# KiCad board HW.ACIM-INV.kicad_pcb (continued)
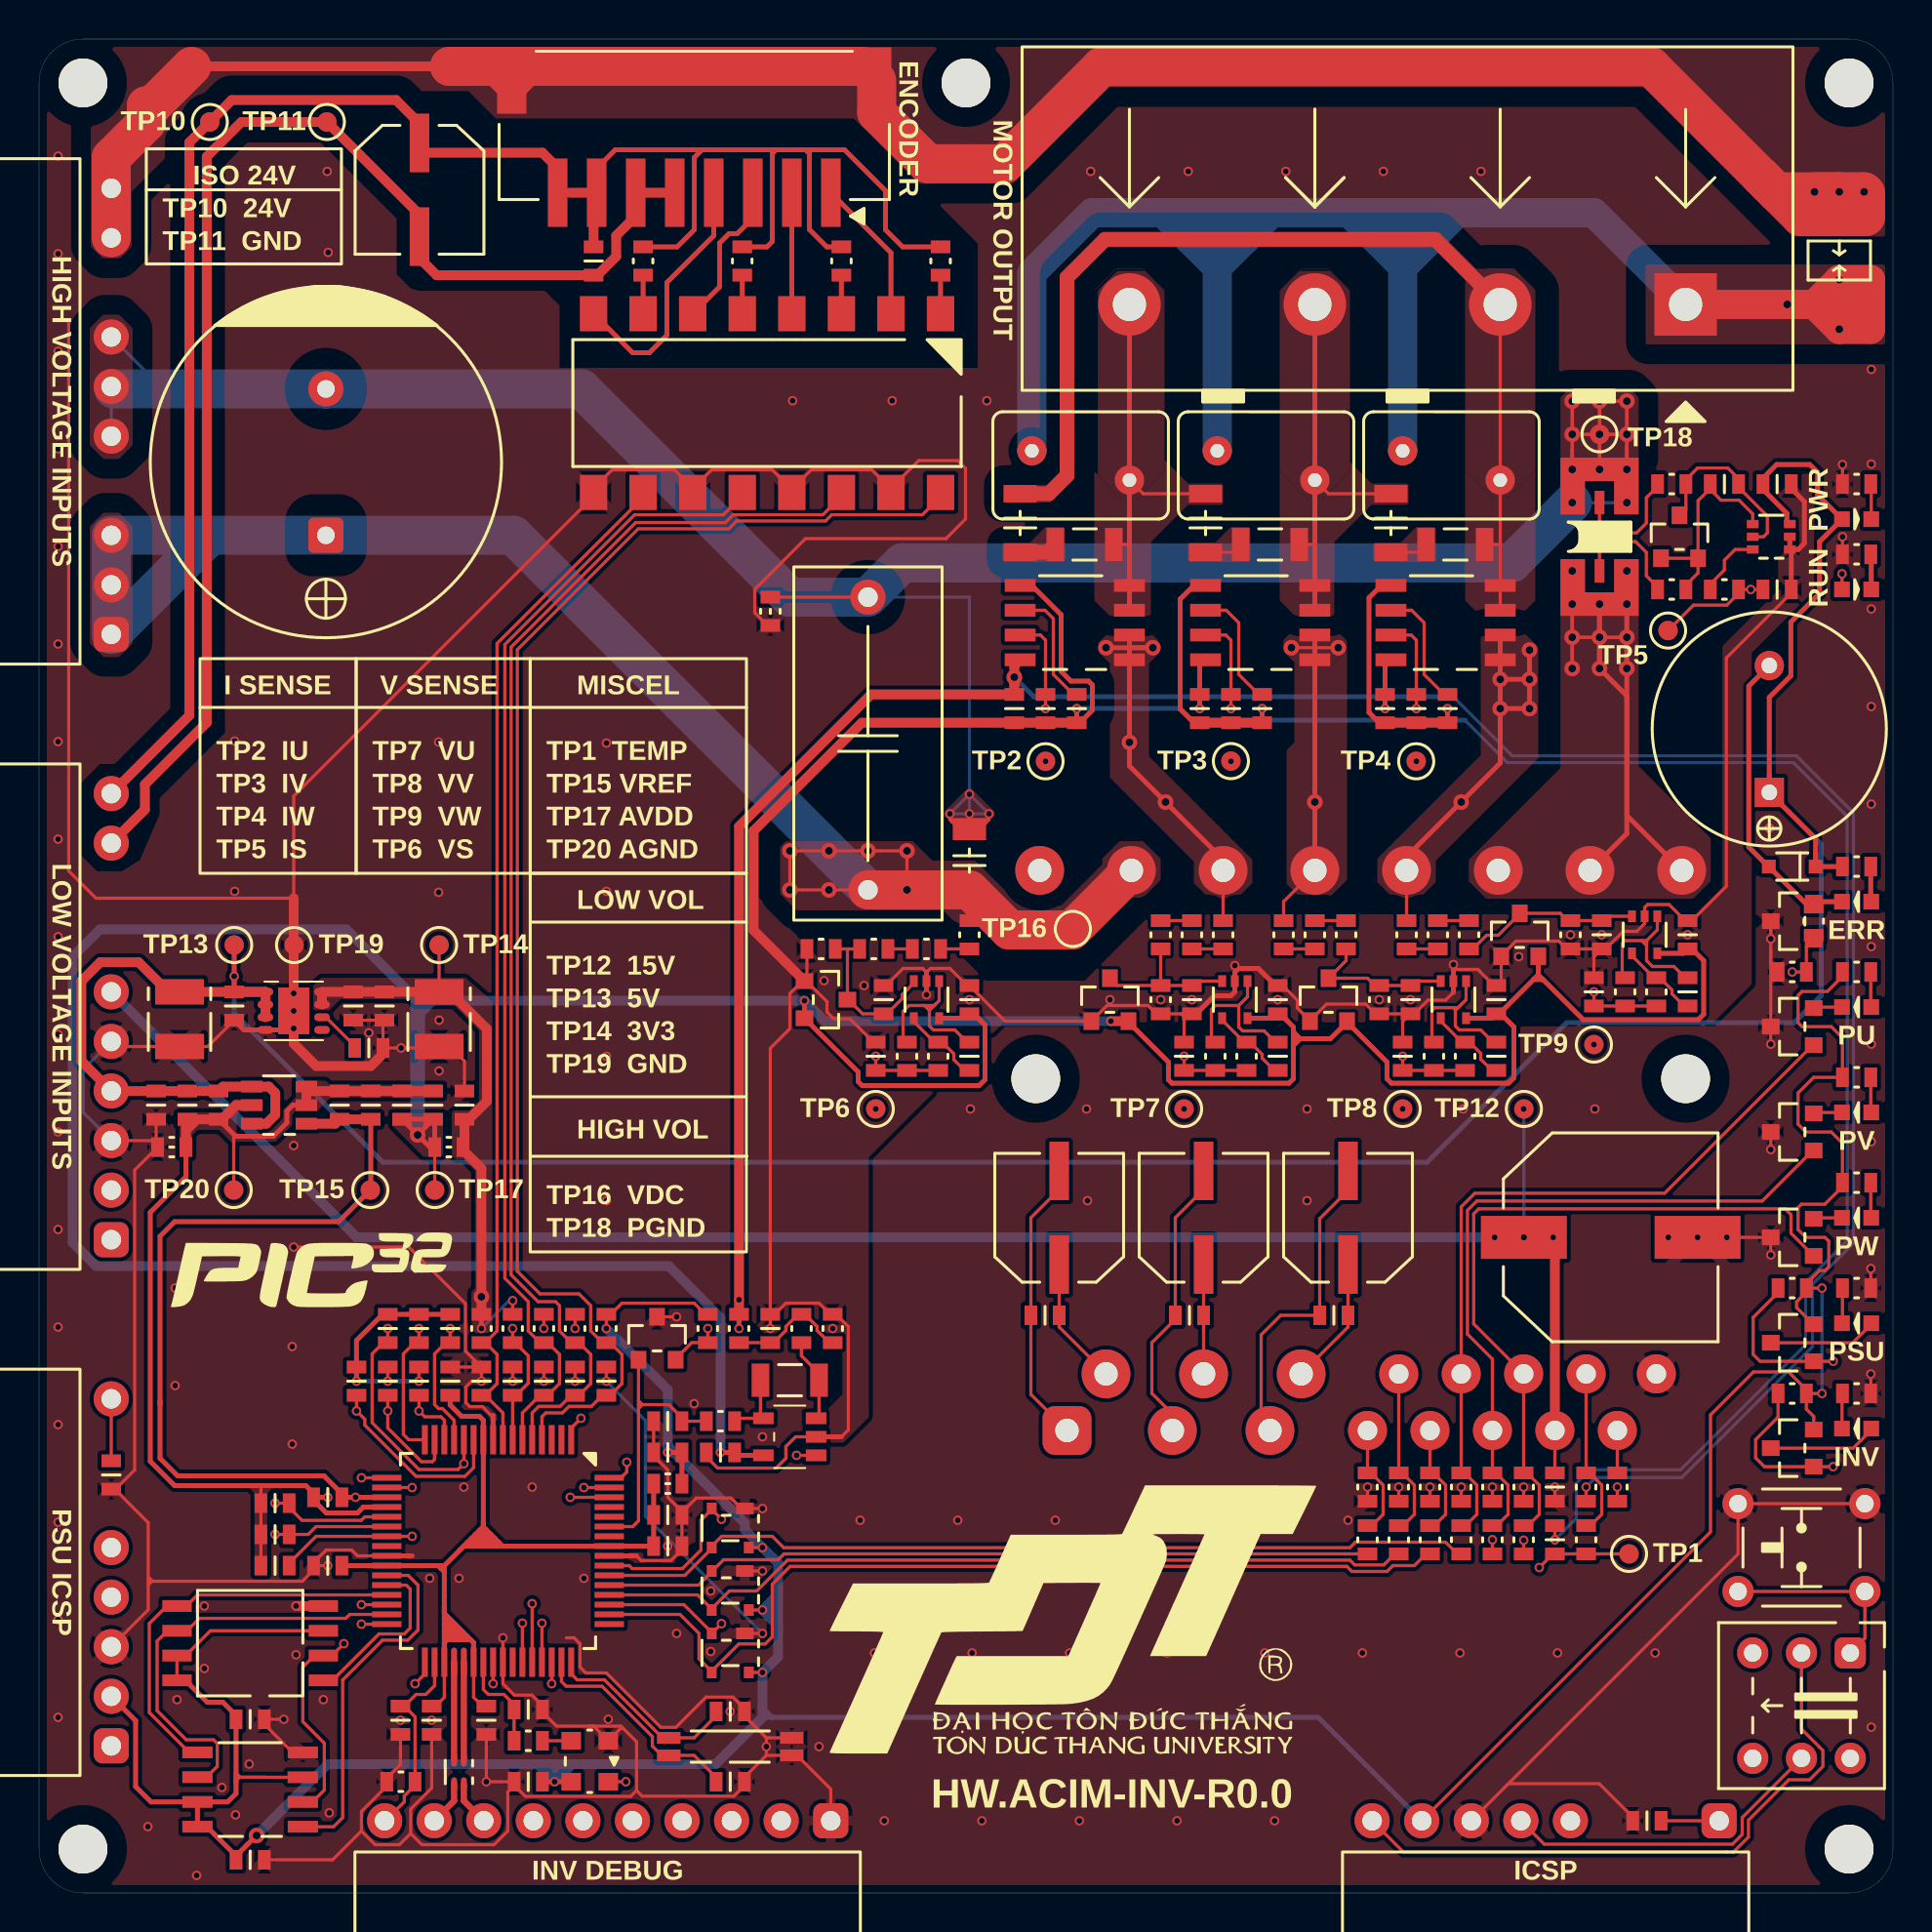
[diagram p0: board, top side]
## Library data of the parts (continued)
U6 = -: Description: MEMS OSC XO 12.0000MHZ CMOS SMD; MNP: DSC1001CE1-012.0000; Unit Price: 1.15; MFT: Microchip; Checked: OK
U7 U9 U10 = -: Description: SENSOR CURRENT HALL 10A AC/DC; MNP: ACS724LLCTR-10AB-T; Unit Price: 4.36; MFT: Allegro; Checked: OK
U8 = -: Description: IC VREF SERIES 0.1% SOT23-6; MNP: MCP1501T-33E/CHY; Unit Price: 1; MFT: Microchip; Checked: OK
U11 = -: Description: IC EEPROM 256KBIT SPI 8SOIC; MNP: M95256-WMN6P; MFT: ST; Unit Price: 0.71; Comment: EEPROM; Checked: OK
U13 = -: Description: IC FLASH 128MBIT SPI/QUAD 8SOIC; MNP: W25Q128FVSG; MFT: Winbond; Unit Price: 1.053; Comment: FLASH; Checked: OK
U14 = -: Description: IC REG LINEAR 3.3V 1.5A 8DFN; MNP: MCP1727-3302E/MF; Comment: Vo=3.3V±0.5%/1.5A; MFT: Microchip; Unit Price: 1.11; Checked: OK
X1 = -: Description: CRYSTAL 32.7680KHZ 12.5PF SMD; MNP: 32.768K12.5PI/6914E; Unit Price: 0.42; MFT: YIC; Checked: OK

## Footprints (pads in the part's own frame, mm; a bottom-side part is the same pattern mirrored in y, then rotated)
AT-1224
  round 1.5 hole 0.8: 1(3.25,0)
  rect 1.5x1.5 hole 0.8: 2(-3.25,0)
BUTTON_4P_6x6
  round 1.6 hole 0.9: 1(-3.25,2.25) 2(3.25,2.25) 3(-3.25,-2.25) 4(3.25,-2.25)
CAP0603
  rect 0.65x1 smd: 1(-0.725,0) 2(0.725,0)
CAP1206
  rect 0.9x1.7 smd: 1(-1.5,0) 2(1.5,0)
CAP1411
  rect 1.3x2.5 smd: +(-1.4,0) -(1.4,0)
CAP_ELEC-6.6x6.6-DIA6.3
  rect 3x1 smd: +(-2.4,0) -(2.4,0)
CAP_ELEC-10.3x10.3-DIA10
  rect 4.4x2.2 smd: +(-4.45,0) -(4.45,0)
CAP_ELEC-18.0x51.5-LS7.5
  rrect 1.8x1.8 hole 0.9: +(-3.75,0)
  round 1.8 hole 0.9: -(3.75,0)
CDFN3225-4LD-PL-1
  rect 1x0.9 smd: 1(-0.95,1.05) 2(-0.95,-1.05) 3(0.95,-1.05) 4(0.95,1.05)
CIPOS-MINI
  rrect 2.5x2.5 hole 1.2: 1(-15.05,14.35)
  round 2.5 hole 1.2: 2(-13.05,11.45) 3(-9.65,14.35) 4(-8.05,11.45) 5(-4.65,14.35) 6(-3.05,11.45) 17(16.45,-14.35) 18(11.75,-14.35) 19(7.05,-14.35) 20(2.35,-14.35) 21(-2.35,-14.35) 22(-7.05,-14.35) 23(-11.75,-14.35) 24(-16.45,-14.35)
  round 2 hole 1: 7(0.35,14.35) 8(1.95,11.45) 9(3.55,14.35) 10(5.15,11.45) 11(6.75,14.35) 12(8.35,11.45) 13(9.95,14.35) 14(11.55,11.45) 15(13.15,14.35) 16(15.15,11.45)
DFN8_3x3_MCHP
  oval 0.4x0.8 smd: 1(-0.975,-1.45) 2(-0.325,-1.45) 3(0.325,-1.45) 4(0.975,-1.45) 5(0.975,1.45) 6(0.325,1.45) 7(-0.325,1.45) 8(-0.975,1.45)
  rect 2.4x1.6 smd: 9(0,0)
ECWFE2W105
  round 1.8 hole 1: 1(-7.5,0) 2(7.5,0)
FT0603
  rect 0.65x1 smd: 1(-0.725,0) 2(0.725,0)
GDT1812_3532
  rrect 1.5x4.2 smd: 1(-2.25,0) 2(2.25,0)
HDF1x8x2.54_TH_RA
  rrect 1.8x1.8 hole 1: 1(-8.89,0)
  round 1.8 hole 1: 2(-6.35,0) 3(-3.81,0) 4(-1.27,0) 5(1.27,0) 8(8.89,0)
HDM1x8x2.0_SMA_RA
  rect 1x3.5 smd: 1(-7,2.8) 2(-5,2.8) 3(-3,2.8) 4(-1,2.8) 5(1,2.8) 6(3,2.8) 7(5,2.8) 8(7,2.8)
  rect 1.5x3.4 smd: 9(-9.35,-2.95) 9(9.35,-2.95)
HDM1x8x2.54_TH_RA
  rrect 1.8x1.8 hole 1: 1(-8.89,0)
  round 1.8 hole 1: 4(-1.27,0) 5(1.27,0) 6(3.81,0) 7(6.35,0) 8(8.89,0)
HDM1x10x2.54_TH_RA
  rrect 1.8x1.8 hole 1: 1(-11.43,0)
  round 1.8 hole 1: 2(-8.89,0) 3(-6.35,0) 4(-3.81,0) 5(-1.27,0) 6(1.27,0) 9(8.89,0) 10(11.43,0)
HDM1x10x2.54_TH_RA#2
  rrect 1.8x1.8 hole 1: 1(-11.43,0)
  round 1.8 hole 1: 2(-8.89,0) 3(-6.35,0) 4(-3.81,0) 5(-1.27,0) 6(1.27,0) 7(3.81,0) 8(6.35,0) 9(8.89,0) 10(11.43,0)
HDM1x10x2.54_TH_RA#3
  rrect 1.8x1.8 hole 1: 1(-11.43,0)
  round 1.8 hole 1: 2(-8.89,0) 3(-6.35,0) 5(-1.27,0) 6(1.27,0) 7(3.81,0) 9(8.89,0) 10(11.43,0)
IND1210_4P
  rrect 0.7x0.3 smd: 1(-0.625,0.25) 2(0.625,0.25) 3(0.625,-0.25) 4(-0.625,-0.25)
LED0603
  rect 0.8x0.8 smd: A(0.75,0) K(-0.75,0)
MOV5MM
  round 1.5 hole 0.7: 1(-2.5,0.75) 2(2.5,-0.75)
OPTO_SO16_6.5MM
  rect 1.4x1.8 smd: 1(-8.89,-4.58) 2(-6.35,-4.58) 3(-3.81,-4.58) 4(-1.27,-4.58) 5(1.27,-4.58) 6(3.81,-4.58) 7(6.35,-4.58) 8(8.89,-4.58) 9(8.89,4.58) 10(6.35,4.58) 11(3.81,4.58) 12(1.27,4.58) 13(-1.27,4.58) 14(-3.81,4.58) 15(-6.35,4.58) 16(-8.89,4.58)
RES0603
  rect 0.65x1 smd: 1(-0.725,0) 2(0.725,0)
RES1206
  rect 0.9x1.7 smd: 1(-1.5,0) 2(1.5,0)
SCREWHOLE-2.5M
  round 2.5 hole 2.5 unplated: (0,0)
SHU2512
  custom 2.91x4.01 smd: 1(-2.85,0) 2(2.85,0)
  rect 1.2x0.5 smd: 3(-1.75,0) 4(1.75,0)
SMD4-7015
  rect 1.2x0.6 smd: 1(-3.15,-0.45) 2(3.15,-0.45) 3(3.15,0.45) 4(-3.15,0.45)
SO8W_5.3
  rect 1.5x0.6 smd: 1(-3.75,1.905) 2(-3.75,0.635) 3(-3.75,-0.635) 4(-3.75,-1.905) 5(3.75,-1.905) 6(3.75,-0.635) 7(3.75,0.635) 8(3.75,1.905)
SOD-323
  rect 0.7x0.7 smd: A(1.2,0) K(-1.2,0)
SOIC8_3.9_MCHP
  rect 0.6x1.55 smd: 1(-1.905,-2.7) 2(-0.635,-2.7) 3(0.629,-2.696) 4(1.905,-2.7) 5(1.905,2.7) 6(0.635,2.7) 7(-0.635,2.7) 8(-1.905,2.7)
SOIC8_ALL
  rect 0.65x1.575 smd: 1(-1.905,-2.812) 2(-0.635,-2.812) 3(0.635,-2.812) 4(1.905,-2.812) 5(1.905,2.788) 6(0.635,2.788) 7(-0.635,2.788) 8(-1.905,2.788)
SOT23
  rect 0.8x0.9 smd: 1(-0.95,-1.1) 2(0.951,-1.102) 3(0,1.1)
SOT25_DIODES
  rect 0.6x1.05 smd: 1(-0.95,-1.35) 2(0,-1.35) 3(0.95,-1.35) 4(0.95,1.35) 5(-0.95,1.35)
SOT143B_NEXT
  rect 0.9x0.6 smd: 1(-0.75,-1)
  rect 0.5x0.6 smd: 2(0.95,-1) 3(0.95,1) 4(-0.95,1)
SOT353
  rect 0.6x0.4 smd: 1(-0.95,0.65) 2(-0.95,0) 3(-0.95,-0.65) 4(0.95,-0.65) 5(0.95,0.65)
SOT363
  rect 0.42x0.6 smd: 1(-0.65,-0.95) 2(0,-0.95) 3(0.65,-0.95) 4(0.65,0.95) 5(0,0.95) 6(-0.65,0.95)
SOT-23-6_MCHP
  rect 0.6x1.1 smd: 1(-0.95,-1.4) 2(0,-1.4) 3(0.95,-1.4) 4(0.95,1.4) 5(0,1.4) 6(-0.95,1.4)
SW_PUSH_2DPDT
  rrect 1.6x1.6 hole 0.9: 1(-2.5,-2.7)
  round 1.6 hole 0.9: 2(0,-2.7) 3(2.5,-2.7) 4(-2.5,2.7) 5(0,2.7) 6(2.5,2.7)
TMB4_9.5
  rect 3.2x3.2 hole 1.7: 1(-14.25,0)
  round 3.2 hole 1.7: 2(-4.75,0) 3(4.75,0) 4(14.25,0)
TP1MM
  round 1 smd: 1(0,0)
TQFP64_10x10_MCHP
  rect 1.5x0.3 smd: 1(-5.7,3.75) 2(-5.7,3.25) 3(-5.7,2.75) 4(-5.7,2.25) 5(-5.7,1.75) 6(-5.7,1.25) 7(-5.7,0.75) 8(-5.7,0.25) 9(-5.7,-0.25) 10(-5.7,-0.75) 11(-5.7,-1.25) 12(-5.7,-1.75) 13(-5.7,-2.25) 14(-5.7,-2.75) 15(-5.7,-3.25) 16(-5.7,-3.75) 33(5.7,-3.75) 34(5.7,-3.25) 35(5.7,-2.75) 38(5.7,-1.25) 39(5.7,-0.75) 40(5.7,-0.25) 41(5.7,0.25) 42(5.7,0.75) 43(5.7,1.25) 44(5.7,1.75) 45(5.7,2.25) 46(5.7,2.75) 47(5.7,3.25) 48(5.7,3.75)
  rect 0.3x1.5 smd: 17(-3.75,-5.7) 18(-3.25,-5.7) 19(-2.75,-5.7) 20(-2.25,-5.7) 21(-1.75,-5.7) 22(-1.25,-5.7) 23(-0.75,-5.7) 24(-0.25,-5.7) 25(0.25,-5.7) 26(0.75,-5.7) 27(1.25,-5.7) 28(1.75,-5.7) 29(2.25,-5.7) 30(2.75,-5.7) 31(3.25,-5.7) 32(3.75,-5.7) 49(3.75,5.7) 50(3.25,5.7) 51(2.75,5.7) 52(2.25,5.7) 53(1.75,5.7) 54(1.25,5.7) 55(0.75,5.7) 56(0.25,5.7) 57(-0.25,5.7) 58(-0.75,5.7) 59(-1.25,5.7) 60(-1.75,5.7) 61(-2.25,5.7) 62(-2.75,5.7) 63(-3.25,5.7) 64(-3.75,5.7)
  rrect 1.5x0.3 smd: 36(5.7,-2.25) 37(5.7,-1.75)
unnamed
  round 2.5 hole 2.5 unplated: (0,0)

## Nets
+3V3: C32.+ C34.2 C35.2 C54.2 C56.2 C57.2 C90.2 C100.2 D10.4 D11.4 D15.4 FT3.1 FT6.1 J2.7 J5.2 Q2.2 Q7.2 R20.2 R47.1 R54.1 R56.1 R62.1 R64.2 R66.2 R67.1 R70.1 R71.1 R72.1 TP14.1 U6.4 U11.3 U11.7 U11.8 U13.3 U13.7 U13.8 U14.7 U14.8
+5V: BZ1.2 C31.2 C48.2 C49.2 C50.2 C78.2 C83.+ D7.K D9.A J4.4 R57.2 TP13.1 U3.3 U8.4 U8.6 U14.1 U14.2 U14.3
+15V: C16.+ C17.1 J4.6 TP12.1 U1.13
+24V: C73.+ C74.2 J4.10 J8.7 J8.8 R44.1 R45.1 R46.1 R61.1 TP10.1
/MCU/VBUS: C97.2 J6.10 R110.1 U5.34
AGND: C9.2 C10.2 C15.1 C18.1 C20.2 C22.1 C23.2 C24.1 C26.2 C27.1 C28.2 C30.1 C31.1 C38.2 C39.1 C40.2 C41.1 C42.1 C43.1 C44.1 C45.1 C46.1 C47.1 C49.1 C50.1 C53.1 C55.1 C58.1 C59.1 C61.1 C62.1 C63.1 C64.1 C65.1 C66.1 C67.1 C68.1 C69.1 C70.1 C71.1 C72.1 C95.1 D1.1 D2.1 D3.1 D4.1 FT1.1 R6.2 R31.1 R33.2 R39.2 R53.2 TP20.1 U2.2 U3.1 U3.2 U4.2 U5.20 U7.5 U8.2 U8.3 U8.5 U9.5 U10.5 U12.2 U15.2 U16.2
AVDD: C24.2 C27.2 C39.2 C41.2 C42.2 C58.2 C59.2 D1.2 D2.2 D3.2 D4.2 FT3.2 TP17.1 U2.5 U4.5 U12.5 U15.5 U16.5
GND: BT1.3 BT1.4 C16.- C17.2 C21.1 C32.- C33.1 C34.1 C35.1 C36.1 C48.1 C51.1 C52.1 C54.1 C56.1 C57.1 C60.1 C76.1 C77.1 C78.1 C79.1 C83.- C89.1 C90.1 C91.1 C92.1 C93.1 C94.1 C96.1 C97.1 C98.1 C99.1 C100.1 C101.1 D10.1 D11.1 D15.1 FT1.2 FT2.1 J2.6 J4.3 J4.5 J5.3 J6.1 OP1.9 OP1.11 OP1.13 OP1.15 Q1.3 Q3.3 Q4.3 Q5.3 Q6.3 R16.1 R17.1 R18.1 R23.1 R24.1 R25.1 R55.1 R58.2 R59.2 R60.2 R65.1 R110.2 TP19.1 U1.16 U5.9 U5.25 U5.41 U5.56 U6.2 U11.4 U13.4 U14.4 U14.9 X1.2 X1.3
GND1: C73.- C74.1 J4.9 J8.5 J8.6 TP11.1
PGND: C1.1 C14.2 C75.- FT2.2 J1.5 J1.6 J1.7 R43.1 TP18.1
/Inverter/INV_FLT_OC: Q1.2 R7.2 R54.2
/Inverter/IPM_PWM_UH: R13.1 R18.2 U1.7
/Inverter/IPM_PWM_UL: Q4.1 R19.1 R25.2 U1.10
/Inverter/IPM_PWM_VH: R14.1 R17.2 U1.8
/Inverter/IPM_PWM_VL: Q5.1 R21.1 R24.2 U1.11
/Inverter/IPM_PWM_WH: R15.1 R16.2 U1.9
/Inverter/IPM_PWM_WL: Q6.1 R22.1 R23.2 U1.12
/Inverter/MC_IDC_SENSE: C30.2 C43.2 R41.2 TP5.1 U4.1 U5.12
/Inverter/MC_IPM_TEMP: C18.2 C72.2 R11.2 TP1.1 U5.23
/Inverter/MC_IU_SENSE: C46.2 C68.2 TP2.1 U5.13 U10.7
/Inverter/MC_IV_SENSE: C45.2 C65.2 TP3.1 U5.14 U9.7
/Inverter/MC_IW_SENSE: C44.2 C62.2 TP4.1 U5.15 U7.7
/Inverter/MC_PWM_UH: D10.2 R13.2 U5.53
/Inverter/MC_PWM_UL: D11.3 R19.2 U5.54
/Inverter/MC_PWM_VH: D10.3 R14.2 U5.52
/Inverter/MC_PWM_VL: D11.2 R21.2 U5.55
/Inverter/MC_PWM_WH: D15.3 R15.2 U5.50
/Inverter/MC_PWM_WL: D15.2 R22.2 U5.51
/Inverter/MC_VU: R8.1 U1.22 U10.1 U10.2
/Inverter/MC_VV: R34.1 U1.21 U9.1 U9.2
/Inverter/MC_VW: R48.1 U1.20 U7.1 U7.2
/MCU/CTS2: J6.2 U5.33
/MCU/ENC_A: C51.2 OP1.16 R70.2 U5.4
/MCU/ENC_B: C52.2 OP1.14 R71.2 U5.5
/MCU/ENC_HOME: C36.2 OP1.10 R62.2 U5.8
/MCU/ENC_INDEX: C60.2 OP1.12 R72.2 U5.6
/MCU/IND_RUN: D8.A U5.1
/MCU/MC_VDC_SENSE: C9.1 C47.2 R3.2 R5.1 TP6.1 U5.11
/MCU/MC_VU_SENSE: C20.1 C69.2 R10.2 R32.1 TP7.1 U5.16
/MCU/MC_VV_SENSE: C26.1 C70.2 R36.2 R38.1 TP8.1 U5.22
/MCU/MC_VW_SENSE: C38.1 C71.2 R50.2 R52.1 TP9.1 U5.21
/MCU/PGC: J2.4 J5.5 U5.17
/MCU/PGD: Q2.1 R56.2 SW1.4 U5.18
/MCU/RTS2: J6.3 U5.32
/MCU/RXD1: J6.6 U5.44
/MCU/RXD2: J6.4 U5.43
/MCU/SCK: U5.31 U11.6 U13.6
/MCU/SDI: U5.30 U11.2 U13.2
/MCU/SDO: U5.29 U11.5 U13.5
/MCU/SOSCI: C98.2 U5.47 X1.1
/MCU/SOSCO: C99.2 U5.48 X1.4
/MCU/SYS_CLK: C101.2 R111.1 U5.39
/MCU/SYS_CLK_EN: U5.40 U6.1
/MCU/TXD1: J6.7 U5.46
/MCU/TXD2: J6.5 U5.45
/MCU/USB_DM: FT7.3 J6.9
/MCU/USB_DP: FT7.2 J6.8
/MCU/~{IND_ERR}: Q3.1 R58.1 R73.2 U5.64
/MCU/~{INV_FAULT}: J4.2 U5.62
/MCU/~{INV_FLT_OC}: C21.2 Q1.1 R27.2 U5.59
/MCU/~{MCLR}: BT1.1 BT1.2 C33.2 R47.2 SW1.1 U5.7
/MCU/~{MEM_CFG}: U5.28 U13.1
/MCU/~{MEM_TMP}: U5.27 U11.1
/MCU/~{PWR_FAULT}: J4.1 U5.63
CHASSIS: G1.1 J1.9 J1.10 J8.9
VDC: C1.2 C14.1 C75.+ J1.1 J1.2 J1.3 R1.1 TP16.1 U1.23
VREF: C53.2 C55.2 C61.2 C63.2 C66.2 C95.2 R12.1 R28.2 TP15.1 U5.19 U7.8 U8.1 U9.8 U10.8
Net-(BZ1-V-): BZ1.1 D6.K D7.A Q3.2 R73.1
Net-(C11-Pad1): C11.1 R68.1
Net-(C12-Pad2): C12.2 R69.1
Net-(C13-Pad2): C13.2 R63.1
Net-(C22-Pad2): C22.2 R28.1 R29.2 R31.2
Net-(C76-Pad2): C76.2 J2.1
Net-(C77-Pad2): C77.2 J5.8
Net-(D1-COM): C10.1 D1.3 R4.2 R6.1 U16.3
Net-(D2-COM): C23.1 D2.3 R26.2 R33.1 U2.3
Net-(D3-COM): C28.1 D3.3 R37.2 R39.1 U12.3
Net-(D4-COM): C40.1 D4.3 R51.2 R53.1 U15.3
Net-(D5-PadK): D5.K R55.2
Net-(D6-PadA): D6.A R57.1
Net-(D8-PadK): D8.K R59.1
Net-(D9-PadK): D9.K R60.1
Net-(D12-PadA): D12.A R20.1
Net-(D13-PadA): D13.A R64.1
Net-(D14-PadA): D14.A R66.1
Net-(D16-PadK): D16.K R65.2
Net-(D20-COM): C29.1 D20.3 R42.1 U3.5
Net-(D20-K1): C29.2 D20.1 D20.2 R40.1 U3.4
Net-(G1-Pad2): G1.2 J3.1 M1.1 M2.1 M3.1
Net-(OP1A-A1): OP1.1 R46.2
Net-(OP1A-K1): J8.1 OP1.2
Net-(OP1B-A2): OP1.3 R45.2
Net-(OP1B-K2): J8.2 OP1.4
Net-(OP1C-A3): OP1.5 R44.2
Net-(OP1C-K3): J8.3 OP1.6
Net-(OP1D-A4): OP1.7 R61.2
Net-(OP1D-K4): J8.4 OP1.8
Net-(Q2-D): D5.A Q2.3
Net-(Q4-D): D12.K Q4.2
Net-(Q5-D): D13.K Q5.2
Net-(Q6-D): D14.K Q6.2
Net-(Q7-D): D16.A Q7.3
Net-(Q7-G): J5.4 Q7.1 R67.2 SW1.6
Net-(R1-Pad2): R1.2 R2.1
Net-(R2-Pad2): R2.2 R4.1
Net-(R8-Pad2): R8.2 R9.1
Net-(R26-Pad1): R9.2 R26.1
Net-(R34-Pad2): R34.2 R35.1
Net-(R35-Pad2): R35.2 R37.1
Net-(R40-Pad2): R40.2 R43.4
Net-(R42-Pad2): R42.2 R43.3
Net-(R48-Pad2): R48.2 R49.1
Net-(R49-Pad2): R49.2 R51.1
Net-(SW1-COM1): J2.8 SW1.2
Net-(SW1-COM2): J2.5 SW1.5
Net-(SW1-NO1): J5.1 SW1.3
Net-(U1-ITR): R7.1 U1.15
Net-(U1-NU): R43.2 U1.17 U1.18 U1.19
Net-(U1-VBU): C2.1 C3.+ U1.2
Net-(U1-VBV): C4.+ C5.1 U1.4
Net-(U1-VBW): C6.+ C7.1 U1.6
Net-(U1-VFO): R11.1 R12.2 U1.14
Net-(U1-VSU): C2.2 C3.- U1.1
Net-(U1-VSV): C4.- C5.2 U1.3
Net-(U1-VSW): C6.- C7.2 U1.5
Net-(U2-VIN-): C19.1 R10.1 U2.4
Net-(U2-VOUT): C19.2 R32.2 U2.1
Net-(U3-OUT): R41.1 U3.6
Net-(U4-VIN+): R29.1 R30.2 U4.3
Net-(U4-VOUT): R27.1 R30.1 U4.4
Net-(U5-D+): FT7.1 U5.37
Net-(U5-D-): FT7.4 U5.36
Net-(U5-VDD1): C89.2 C91.2 C92.2 C93.2 C94.2 C96.2 FT6.2 U5.10 U5.26 U5.35 U5.38 U5.57
Net-(U6-CLKO): R111.2 U6.3
Net-(U7-FILTER): C15.2 U7.6
Net-(U7-IPN1): C12.1 J3.2 M1.2 R68.2 U7.3 U7.4
Net-(U9-FILTER): C64.2 U9.6
Net-(U9-IPN1): C11.2 J3.3 M2.2 R63.2 U9.3 U9.4
Net-(U10-FILTER): C67.2 U10.6
Net-(U10-IPN1): C13.1 J3.4 M3.2 R69.2 U10.3 U10.4
Net-(U12-VIN-): C25.1 R36.1 U12.4
Net-(U12-VOUT): C25.2 R38.2 U12.1
Net-(U14-CDELAY): C79.2 U14.6
Net-(U15-VIN-): C37.1 R50.1 U15.4
Net-(U15-VOUT): C37.2 R52.2 U15.1
Net-(U16-VIN-): C8.1 R3.1 U16.4
Net-(U16-VOUT): C8.2 R5.2 U16.1

Pads without a net: U1 24; U5 2 3 24 42 49 58 60 61; U14 5

## Via types
v1: diameter 0.48, hole 0.3, Top to Bottom, 257 vias
v2: diameter 0.8, hole 0.4, Top to Bottom, 52 vias

## Routing (per net, layer and track width the routed paths; a pad name or vN(x,y) marks a point on that pad's centre or on a via; arc(x,y) is an arc through that point)
+3V3: length 265
  Top w0.16: R66.2 92.26,36.25 ; R66.2 92.41,38.42 91.84,39 90.54,39 90.14,39.39 90.14,41 90.94,41.8 R64.2 92.41,43.82 91.84,44.39 90.34,44.39 90.14,44.59 90.14,46 90.34,46.19 91.64,46.19 92.41,46.97 R20.2 ; R66.2 92.41,36.19 91.51,35.3 90.31,35.3 90.14,35.12 90.14,34 90.54,33.59 91.51,33.59 91.71,33.39 91.71,32.09 91.51,31.89 91.24,31.89 90.56,31.22 R67.1 ; C35.2 10.12,8.92 10.12,9.07 ; 10.09,6.15 10.3,5.94 10.3,5.93 ; 21.8,38.29 FT3.1 21.72,38.07 ; 8.6,3.39 U11.8 ; 10.3,5.93 10.27,5.93 10.09,5.75 ; 10.3,5.93 11.55,5.93 ; R47.1 v1(24.27,30.35) ; v1(29.07,28.92) R70.1 29.29,29.65 29.87,30.22 33.57,30.22 34.14,29.65 R54.1 ; D15.4 v1(37.07,11.3) ; v1(25.87,28.92) R72.1 ; D11.4 v1(37.07,17.7) ; 11.55,5.93 U11.3 ; 11.55,5.93 10.12,5.93 10.09,5.95 ; v1(27.47,28.92) R71.1 ; Q7.2 90.91,29.15 90.06,30 90.06,30.3 90.56,30.8 R67.1 ; 10.09,1.92 C34.2 10.09,1.9 ; 11.14,2.94 v2(11.15,2.94) ; R56.1 v1(91.36,25.59) ; R56.1 90.56,24.79 90.94,24.42 Q2.2 ; R56.1 90.56,25.79 89.65,26.7 87.85,26.7 85.65,24.5 85.65,18.5 J2.7 ; TP14.1 C32.+ ; 8.61,4.66 U11.7 7.58,4.66 ; D10.4 v1(37.07,14.5) ; v1(91.36,31) R67.1 ; U13.3 8.78,13.43 7.51,12.16 U13.7 U13.8 7.5,10.89 ; C100.2 25.79,5.87
  Top w0.25: 10.12,9.07 9.42,9.77 8.62,9.77 7.5,10.89 ; J5.2 4.95,8.83 4.95,5.45 5.74,4.66 7.58,4.66 ; U6.4 C100.2 ; U11.8 U11.7 ; 8.6,3.39 10.09,1.9 10.69,2.5 ; C35.2 10.09,5.09 9.66,4.66 8.61,4.66 ; v1(32.22,22.57) C90.2 FT6.1 ; 10.59,2.4 11.14,2.94 ; v1(22.67,28.92) R62.1
  Top w0.5: R62.1 v2(22.67,30.55) 22.67,37.12 21.72,38.07 ; U14.7 U14.8 C32.+ 21.05,46.17 22.95,44.27 22.95,40.57 22.03,39.64 C57.2 21.8,38.29
  In2.Cu w0.5: v1(29.07,28.92) v1(25.87,28.92) 25.69,28.92 v1(24.27,30.35) 24.07,30.55 v2(22.67,30.55) v1(22.67,28.92)
  Bottom w0.16: v1(91.36,31) v1(91.36,25.59) ; v2(22.67,30.55) v1(22.67,28.92) 24.09,30.35 v1(24.27,30.35)
  Bottom w0.25: 37.07,9.5 37.57,9 37.62,9 ; 37.62,9 37.07,9 ; 37.62,9 65.55,9 J2.7
  Bottom w0.5: 32.22,23 32.22,25.77 v1(29.07,28.92) ; 32.22,23 v1(32.22,22.57) 32.54,22.57 32.82,22.3 ; 32.22,23 32.22,22.9 32.82,22.3 ; 37.54,14.02 37.52,14.05 37.52,14.95 ; 37.54,14.02 v1(37.07,14.5) 37.52,14.95 ; 37.54,14.02 37.87,13.7 37.87,13.35 ; 37.87,13.35 37.87,12.1 v1(37.07,11.3) 37.07,9 34.67,6.6 27.94,6.6 ; 37.87,13.35 37.87,15.65 ; 37.87,15.65 37.87,16.9 v1(37.07,17.7) 36.17,18.6 36.17,18.95 32.82,22.3 ; 37.87,15.65 37.87,15.3 37.52,14.95 ; 27.94,6.6 25.52,6.6 ; 27.94,6.6 27.32,6.6 27.02,6.3 ; 25.52,6.6 14.79,6.6 11.15,2.96 v2(11.15,2.94) ; 25.52,6.6 25.92,6.2 ; 25.92,6.2 26.92,6.2 27.02,6.3 ; 25.92,6.2 v1(26.42,5.7) 27.02,6.3
+5V: length 167.7
  Top w0.25: D7.K 91.04,54.02 BZ1.2 ; D7.K R57.2 ; D7.K 91.04,53.3 ; TP13.1 v1(10,46.97) C78.2 ; BZ1.2 88.66,61.27 89.77,62.37 89.77,65.12 91.24,66.59 91.24,69.25 92.59,70.59 92.19,70.59 91.14,71.65 91.14,72.8 90.74,73.19 89.04,73.19 88.34,72.5 C31.2 88.34,71.92 89.56,70.69 89.56,70.3 89.71,70.15 ; BZ1.2 88.66,57.28
  Top w0.5: U14.3 U14.1 ; U14.1 C83.+ 6.62,46.17 5.1,47.69 3.14,47.69 2.17,46.72 2.17,42.63 J4.4 C50.2 9.42,41.32 U8.4 11.78,41.32 12.1,40.99 12.1,39.87 11.65,39.42 U8.6 ; U14.1 C78.2
  Bottom w0.25: 75.03,41.34 75.28,41.59 ; 75.03,41.34 78.28,44.59 89.93,44.59 91.32,45.99 91.32,53.74 88.67,56.39 BZ1.2 ; 75.03,41.34 71.12,37.44 17.62,37.44 10,45.06 v1(10,46.97)
+15V: length 99
  Top w0.16: 77.68,21.53 U1.13
  Top w0.5: U1.13 77.68,33.51 v1(77.59,33.59)
  Bottom w0.16: 75.7,33.59 76.06,33.96 76.09,33.96 ; 76.09,33.96 76.45,33.59 ; 76.09,33.96 76.09,34.12 ; v1(76.07,40.17) 76.09,40.16 76.09,34.12 ; v1(76.09,33.59) 76.09,34.12
  Bottom w0.5: v1(77.59,33.59) v1(74.59,33.59) 16.28,33.59 J4.6
+24V: length 109.5
  Top w0.16: 19.5,89.83 19.5,90.88
  Top w0.25: 27.19,87.12 J8.8 26.58,85.92 ; 38.88,89.33 34.28,89.33 ; 38.88,89.33 37.78,89.33 37.57,89.12 37.57,84.62 37.3,84.35 R44.1 ; 38.88,89.33 39.28,89.33 ; 34.28,89.33 33.97,89.33 33.57,88.92 33.57,85.22 32.7,84.35 R61.1 ; 34.28,89.33 29.53,89.33 28.58,88.38 J8.7 28.42,86.97 ; 39.28,89.33 41.28,89.33 43.38,87.22 43.38,85.22 44.25,84.35 R46.1 ; 39.28,89.33 39.47,89.12 39.47,85.24 40.37,84.35 R45.1 ; 19.5,89.88 19.5,90.88
  Top w0.5: 7.7,79.88 7.7,79.77 ; 7.7,79.88 7.7,60.33 J4.10 ; 7.7,79.88 7.7,89.7 TP10.1 9.88,91.88 18.3,91.88 19.3,90.88 19.5,90.88 ; J8.8 26.58,88.4 25.8,89.17 19.5,89.17 C73.+ 19.5,89.88 ; C74.2 28.42,86.97 ; J8.7 27.19,87.12
/MCU/VBUS: length 10.2
  Top w0.16: 18.72,9.57 19.32,10.17 19.82,10.17 20.27,10.62 U5.34 ; 18.72,9.57 C97.2 ; 18.72,9.57 19.27,9.02 R110.1 19.27,5.52 18.72,4.97 18.72,4.67 17.74,3.7 J6.10
AGND: length 448.6
  Top w0.16: C40.2 79.68,47.97 C38.2 ; C40.2 80.28,48.38 81.18,49.28 81.88,49.28 82.28,49.67 U15.2 82.28,50.5 82.43,50.65 83.53,50.65 84.35,49.83 84.7,49.83 86.46,51.59 86.46,63.29 89.79,66.61 C30.1 ; C40.2 R53.2 78.28,48.38 77.88,48.78 75.68,48.78 74.93,48.03 D4.1 74.93,46.75 C27.1 74.55,46.5 73.85,47.2 ; D1.1 39.35,46.85 R6.2 ; D1.1 39.11,46.72 38.47,46.09 38.47,44.29 37.47,43.28 C22.1 ; D1.1 39.32,46.72 40.38,45.67 40.38,45.14 40.72,44.79 41.56,44.79 42.75,43.6 C9.2 ; 65.12,44.7 64.47,45.35 64.47,45.75 63.72,46.5 C24.1 ; 65.12,44.7 65.12,44.67 ; 65.12,44.7 65.97,45.55 67.97,45.55 68.47,45.05 R39.2 C28.2 ; C28.2 69.88,44.65 C26.2 ; C28.2 70.47,45.05 71.18,45.75 72.07,45.75 72.47,46.15 ; 77.68,18.83 v1(77.68,18.1) ; C22.1 37.69,29.65 38.27,30.22 39.97,30.22 40.54,29.65 R31.1 40.84,29.65 41.47,29.02 41.47,23.72 41.12,23.37 ; C22.1 v1(37.47,28.92) ; C10.2 43.4,46.5 44.28,47.38 45.28,47.38 45.47,47.17 45.68,47.38 46.68,47.38 47.55,46.5 C41.1 49.5,44.67 53.88,44.67 53.93,44.72 53.93,44.67 54.72,45.47 56.82,45.47 57.25,45.05 R33.2 C23.2 58.53,45.05 58.68,44.9 C20.2 ; C45.1 v1(19.47,26.22) ; 73.85,47.2 73.72,47.33 72.47,47.33 ; 73.85,47.2 73.78,47.27 ; 63.75,46.5 C24.1 ; C24.1 63.3,46.5 ; 21.24,29.65 C46.1 ; 18.87,29.65 C43.1 ; 11.39,20.87 11.37,20.85 C71.1 C72.1 11.37,16.6 ; C44.1 v1(17.87,26.22) ; U4.2 38.77,23.37 38.27,22.87 38.27,22.27 37.77,21.77 34.77,21.77 34.19,22.35 C42.1 ; C50.1 9.97,38.87 TP20.1
  Top w0.25: U3.2 U3.1 ; U3.1 89.79,68.77 C30.1 ; U3.1 90.15,68.84 90.46,69.16 90.46,71.3 89.79,71.97 C31.1 ; 72.47,46.15 U12.2 72.47,47.33 ; v1(53.18,60.69) C67.1 53.33,59.97 53.97,60.61 53.97,61.9 53.78,62.1 52.88,62.1 52.38,62.6 52.38,65.5 50.88,67 U10.5 49.81,67 ; U8.2 13,40.37 12.7,40.07 12.7,39.47 12.01,38.77 10.07,38.77 C50.1 8.27,39.64 7.53,38.9 7.53,36.7 5.7,34.88 5.7,22.12 6.95,20.87 13.67,20.87 14.07,20.47 C95.1 ; C46.1 17.61,29.65 16.27,28.31 C47.1 v1(16.27,26.22) ; U9.5 59.18,67 58.47,66.3 58.47,60.67 59.15,59.99 59.45,59.99 C63.1 ; 45.47,47.17 U16.2 v1(45.47,46.03) ; C64.1 v1(62.68,60.69) ; C23.2 59.3,45.05 60.22,45.97 61.07,45.97 61.28,46.17 U2.2 61.28,47.17 61.47,47.38 62.47,47.38 63.35,46.5 C24.1 ; 7.53,39.57 C49.1 ; U7.5 68.78,67 68.15,66.37 68.15,60.49 68.68,59.97 C61.1 ; 49.78,59.97 C66.1 ; C15.1 v1(72.18,60.69) ; C95.1 14.07,20.12 14.72,19.47 16.32,19.47 16.62,19.77 U5.20 ; C95.1 v1(14.79,20.27) ; U4.2 41.12,23.37
  Top w0.5: C58.1 C55.1 13.92,41.09 U8.3 U8.2 ; C49.1 C50.1 9.38,39.64 10.1,40.37 U8.5 ; C67.1 C66.1 42.16,59.97 36.62,54.42 36.62,49.33 D1.1 ; C15.1 C61.1 ; C64.1 C63.1 ; 7.53,38.22 7.53,39.57
  In1.Cu w0.16: 15.67,23.42 16.04,23.8 29.44,23.8 33.57,27.92 33.57,30.05 34.57,31.05 36.72,31.05 37.47,30.3 v1(37.47,28.92) ; 15.67,23.42 15.67,25.62 v1(16.27,26.22) v1(17.87,26.22) v1(19.47,26.22) ; 15.67,23.42 15.67,21.15 v1(14.79,20.27)
  In1.Cu w0.5: v1(84.47,49.1) v1(80.07,49.1) v1(78.47,49.1) 77.35,47.97 v1(75.82,47.97) 72.88,47.97 v1(72.47,47.58) 70.68,45.78 v1(70.28,45.78) 61.97,45.78 ; 61.28,45.78 61.28,46.45 ; 61.28,45.78 61.97,45.78 ; 61.28,45.78 60.57,45.78 ; 61.28,46.45 v1(61.28,47.53) ; 61.28,46.45 61.3,46.45 ; v1(40.22,46.75) 40.47,46.5 v1(42.28,46.5) 45,46.5 v1(45.47,46.03) 45.72,45.78 v1(47.68,45.78) v1(54.88,45.78) 60.57,45.78 ; 61.3,46.45 61.97,45.78 ; 61.3,46.45 60.62,45.78 60.57,45.78
  In2.Cu w0.16: v1(17.87,26.22) 18.67,26.22
  In2.Cu w0.25: v1(16.27,26.22) v1(19.47,26.22)
  Bottom w0.16: 73.07,60.09 75.24,57.92 89.9,57.92 92.66,55.17 92.66,33.42 90.53,31.29 90.53,28.09 84.12,21.69 79.47,21.69 78.78,20.99 78.78,19.2 v1(77.68,18.1)
  Bottom w0.25: v1(53.18,60.69) 58.47,60.69 59.07,60.09 62.68,60.09 ; 62.68,60.09 72.18,60.09 ; 62.68,60.09 v1(62.68,60.69) ; 72.18,60.09 73.07,60.09 ; 72.18,60.09 v1(72.18,60.69) ; v1(19.47,26.22) v1(16.27,26.22)
  vias: v1(40.67,28.92) v1(57.47,45.78) v1(59.07,45.78) v1(63.47,45.78) v1(68.68,45.78)
AVDD: length 207.3
  Top w0.16: TP17.1 FT3.2
  Top w0.25: U12.5 74.45,44.83 C27.2 ; v1(39.22,45.72) D1.2 41.97,42.07 41.97,41.58 42.18,41.38 48.18,41.38 48.47,41.67 48.47,44.47 48.28,44.67 ; 76.58,46.81 76.83,47.05 ; 76.58,46.81 77.07,46.81 77.09,46.79 ; 76.58,46.81 74.82,45.05 C27.2 ; 76.83,47.05 D4.2 ; 76.83,47.05 77.09,46.79 ; v2(19.4,38.84) C59.2 C58.2 ; v2(19.4,38.84) C58.2 ; v2(19.4,38.84) 20.03,38.22 FT3.2 20.28,39.57 C58.2 ; 63.95,44.7 63.6,45.05 C24.2 63.25,44.83 62.87,44.83 ; 63.95,44.7 64.28,44.38 64.28,44.07 ; 63.95,44.7 63.82,44.83 62.87,44.83 ; 46.88,44.83 48.12,44.83 48.28,44.67 ; 46.88,44.83 47.45,44.83 C41.2 47.9,45.05 48.28,44.67 ; 46.88,44.83 U16.5 ; 64.28,43.78 64.28,44.07 ; 64.28,43.78 64.62,43.78 ; 64.28,43.78 64.28,43.42 ; 64.28,44.07 64.32,44.07 64.62,43.78 ; 77.09,46.79 79.13,44.75 85.03,44.75 85.3,45.03 85.3,47.78 84.7,48.38 C39.2 84.25,48.15 U15.5 ; 64.62,43.78 64.62,43.77 64.28,43.42 ; 64.62,43.78 66.18,43.78 67.03,44.63 D3.2 67.03,44.62 69.07,42.58 69.07,41.72 69.3,41.49 75.3,41.49 75.57,41.77 75.57,44.38 74.9,45.05 C27.2 ; 62.87,44.83 U2.5 ; 64.28,43.42 64.28,41.72 64.05,41.49 58.05,41.49 57.88,41.67 57.88,42.58 55.83,44.62 D2.2 ; v1(34.92,22.57) C42.2 35.79,22.42 U4.5
  Top w0.5: D2.2 v1(54.93,44.67)
  Bottom w0.25: 19.9,45.72 19.83,45.72
  Bottom w0.5: v1(54.93,44.67) 40.27,44.67 v1(39.22,45.72) 20.17,45.72 ; 20.17,45.72 19.4,45.72 15.75,49.37 3.12,49.37 1.72,47.97 1.72,33.33 2.92,32.12 32.27,32.12 34.92,29.47 v1(34.92,22.57) ; 20.17,45.72 19.4,44.95
  Bottom w0.75: v2(19.4,38.84) 19.4,45.72
GND: length 651.5
  Top w0.16: 5.82,15.97 5.79,15.97 5.59,15.77 ; 5.82,15.97 5.59,15.97 ; 5.82,15.97 13.49,15.97 14.07,16.55 C89.1 ; 5.82,15.97 5.59,16.2 ; 28.22,8.55 26.52,8.55 25.79,9.27 C101.1 25.79,9.6 25.25,10.14 24.35,10.14 23.77,10.72 U5.41 v1(23.77,13.07) ; 28.22,8.55 28.42,8.55 U6.2 29.82,8.45 29.92,8.45 ; 28.22,8.55 29.82,8.55 29.92,8.45 ; R16.1 v1(71.28,20.8) ; C97.1 18.52,6.57 17.82,5.87 R110.2 17.82,5.47 16.52,4.17 16.52,3.17 ; C52.1 v1(27.47,26.22) ; 92.39,72.22 R60.2 v1(92.41,73.19) ; v1(88.74,48.89) Q3.3 88.74,48.3 ; FT1.2 6,38.29 C48.1 ; FT1.2 5.74,38.55 J4.3 3.06,38.55 ; FT1.2 4.9,37.04 4.9,21.67 3.92,20.69 C77.1 3.87,20.69 5.59,18.97 5.59,16.2 ; C100.1 v1(22.92,5.7) C96.1 ; C100.1 24.34,5.52 24.92,4.95 30.32,4.95 30.62,5.25 ; C100.1 24.34,5.5 24.02,5.17 24.02,3.17 23.32,2.47 19.62,2.47 19.04,3.05 ; 30.62,17.27 30.86,17.03 32.38,17.03 32.94,17.6 C92.1 C91.1 ; Q5.3 v1(88.74,38.09) ; C36.1 21.85,27.77 21.85,30.2 18.95,33.1 v1(13.05,33.1) ; C36.1 C94.1 ; C36.1 v1(22.67,26.22) 22.17,26.22 21.87,25.92 21.87,25.12 22.07,24.92 22.72,24.92 23.17,24.47 23.27,24.47 ; 5.59,15.97 5.59,15.77 ; 5.59,15.97 5.59,16.2 ; BT1.3 BT1.4 87.06,17.37 75.08,5.39 ; 37.27,7.95 36.14,9.07 C99.1 36.14,9.45 35.55,10.04 34.18,10.04 32.63,8.49 31.86,8.49 29.07,11.27 28.02,11.27 27.72,11.57 27.72,12.77 27.42,13.07 27.02,13.07 ; 37.27,7.95 X1.3 ; 37.27,7.95 v1(37.27,7.5) 37.27,7.05 ; 37.27,7.05 36.14,5.92 C98.1 36.14,5.5 35.6,4.96 30.91,4.96 30.62,5.25 ; 37.27,7.05 X1.2 38.84,7.05 40.57,5.32 J6.1 ; 75.08,5.39 75.29,5.6 79.95,5.6 81.67,3.88 C76.1 ; 75.08,5.39 J2.6 ; C51.1 v1(29.07,26.22) ; 16.52,3.17 15.04,1.7 C34.1 ; 16.52,3.17 17.22,2.47 18.47,2.47 19.04,3.05 ; v1(88.74,32.69) Q6.3 v1(86.49,33.59) v1(84.99,33.59) ; 30.62,5.25 30.62,7.75 29.92,8.45 ; v1(37.07,19.7) D11.1 35.99,19.7 35.45,20.24 33.68,20.24 32.94,19.5 C91.1 ; R18.1 v1(68.07,20.8) ; D10.1 v1(37.07,16.5) ; D15.1 v1(37.07,13.3) ; Q1.3 v1(32.67,29.52) ; 5.59,15.77 5.59,14.51 J5.3 ; C33.1 24.27,26.32 ; C91.1 32.94,19.55 32.22,20.27 32.22,21.67 31.49,22.4 C90.1 C21.1 ; v1(13.05,46.1) v1(13.05,45.2) ; 14.72,17.57 16.02,17.57 16.32,17.27 U5.25 ; 14.72,17.57 14.07,16.92 C89.1 ; 14.72,17.57 14.69,17.57 ; C89.1 v1(14.79,16.77) ; R25.1 v1(72.88,20.8) ; 4.06,43.99 J4.5 3.96,43.37 C83.- 8.65,43.37 C78.1 ; C56.1 C54.1 17.62,44.65 C79.1 v1(18.55,43.3) 20.42,43.3 C32.- 21.05,43.37 21.8,42.62 C57.1 ; R17.1 v1(69.68,20.8) ; R59.2 v1(92.41,69.5) ; v1(88.74,43.5) Q4.3 88.74,48.3 ; 19.04,3.05 19.04,4.3 20.12,5.37 C93.1 ; 88.74,48.3 88.74,47.57 R58.2 ; R24.1 v1(74.47,20.8) ; R23.1 v1(76.07,20.8) ; C60.1 v1(25.87,26.22) ; R65.1 v1(93.86,32) ; R55.1 v1(93.86,26.59) ; C17.2 v1(77.68,20.8) ; FT2.1 37.32,64.95 36.68,65.6 36.68,66.8 39.28,69.4 46.47,69.4 47.47,70.4 47.47,73 47.07,73.4 45.07,73.4 43.66,71.98 OP1.15 43.66,71.94 42.67,72.92 39.57,72.92 38.57,71.93 38.57,71.77 38.57,71.92 37.57,72.92 34.47,72.92 33.5,71.95 OP1.11 33.5,72 32.57,72.92 29.37,72.92 28.42,71.97 OP1.9 28.42,71.57 13.05,56.21 13.05,50.97 2.92,50.97 1.52,52.37 1.52,80.57 ; v1(12.54,8.9) C35.1 11.54,8.65 12.99,7.2 U11.4
  Top w0.25: C78.1 10.5,44.22 U14.4 13.05,44.22 ; U5.25 19.12,17.27 ; U5.9 23.27,24.47 ; 30.62,17.27 U5.56
  Top w0.5: v1(13.05,45.2) v1(13.05,44.3) 13.05,43.52 ; 13.05,50.97 v1(13.05,46.1) ; C79.1 17.62,43 17,42.37 14.2,42.37 13.05,43.52 ; 13.05,43.52 13.05,44.22 ; U13.4 v1(13.17,14.7)
  In1.Cu w0.16: 24.22,4.9 16.32,4.9 ; 24.22,4.9 23.72,4.9 v1(22.92,5.7) ; 24.22,4.9 38.32,4.9 39.42,6 ; 16.32,4.9 16.32,9.5 16.86,10.04 ; 16.32,4.9 16.32,3.1 16.92,2.5 39.37,2.5 J6.1 40.57,4.85 39.42,6 ; v1(88.74,48.89) 91.81,51.97 91.81,68.9 v1(92.41,69.5) v1(92.41,73.19) ; v1(22.67,26.22) v1(29.07,26.22) 32.37,29.52 v1(32.67,29.52) ; 37.67,19.1 37.67,17.1 v1(37.07,16.5) 37.77,15.8 37.77,14 v1(37.07,13.3) 37.82,12.55 37.82,10.1 ; 37.67,19.1 v1(42.07,19.1) v1(47.07,19.1) v1(52.07,19.1) v1(57.07,19.1) v1(62.07,19.1) 66.37,19.1 v1(68.07,20.8) v1(77.68,20.8) 78.57,21.7 82.88,21.7 ; 37.67,19.1 v1(37.07,19.7) ; 39.42,6 39.42,8.5 37.82,10.1 ; 82.88,21.7 83.78,20.8 86.21,20.8 BT1.4 ; 82.88,21.7 U1.16 ; 30.08,10.44 30.42,10.1 37.82,10.1 ; 30.08,10.44 29.97,10.55 ; 30.08,10.44 27.44,13.07 v1(23.77,13.07) 19.89,13.07 16.86,10.04 ; 16.86,10.04 17.07,10.25 17.07,15.6 14.07,15.6 v1(13.17,14.7) 12.54,14.08 v1(12.54,8.9) ; BT1.3 93.86,20.25 v1(93.86,26.59) v1(93.86,32) 89.44,32 v1(88.74,32.69) v1(88.74,38.09) v1(88.74,43.5)
  In2.Cu w0.16: J4.3 12.8,38.55 v1(13.05,38.3) ; 4.33,13.25 3.7,12.62 J5.3
  Bottom w0.16: v1(37.07,13.3) 31.07,19.3 31.07,24.22 v1(29.07,26.22) ; J4.5 2.29,42.22 2.27,42.22 2.27,39.99 J4.3
  vias: v1(0.97,89) v1(0.97,84) v1(0.97,79) v1(0.97,74) v1(0.97,69) v1(0.97,64) v1(0.97,59) v1(0.97,54) v1(0.97,49) v1(0.97,44) v1(0.97,39) v1(0.97,34) v1(0.97,29) v1(0.97,24) v1(0.97,19) v1(0.97,14) v1(0.97,9) v1(5.58,3.4) v1(6.97,31) v1(6.97,26) v1(7.07,9.9) v1(8.08,0.9) v1(8.47,14.7) v1(8.47,11.5) v1(9.37,5.4) v1(10.03,59.03) v1(10.03,51.33) v1(10.07,4) v1(10.77,6.6) v1(12.97,28) v1(12.97,23) v1(13.17,12.2) v1(14.57,9.9) v1(14.77,88.22) v1(14.81,84.06) v1(14.87,4.1) v1(16.9,44.07) v1(18.52,8.85) v1(20.02,16.12) v1(20.12,8.85) v1(20.47,58.97) v1(20.47,51.28) v1(20.5,44.72) v1(20.5,42.12) v1(21.52,16.12) v1(21.77,20.8) v1(24.27,26.22) v1(25.27,20.8) v1(27.92,16.12) v1(28.37,22.3) v1(29.08,58.92) v1(29.08,51.33) v1(29.08,42.88) v1(29.08,35.47) v1(29.17,8.9) v1(32.22,17.77) v1(32.67,13.3) v1(33.57,25.07) v1(34.42,15.47) v1(34.42,12.37) v1(35.42,9.3) v1(37.07,23.37) v1(38.62,76.47) v1(39.97,7.5) v1(42.81,12.3) v1(43.31,3.7) v1(43.72,76.47) v1(47.72,40.17) v1(47.81,12.3) v1(48.31,3.7) v1(48.56,76.47) v1(52.81,12.3) v1(53.31,3.7) v1(53.68,40.17) v1(53.72,35.47) v1(53.89,88.22) v1(57.81,12.3) v1(58.31,3.7) v1(58.89,88.22) v1(62.81,12.3) v1(63.31,3.7) v1(63.89,88.22) v1(64.97,40.17) v1(64.97,35.47) v1(67.07,19.1) v1(67.81,12.3) v1(68.89,88.22) v1(72.81,12.3) v1(72.97,40.17) v1(73.89,88.22) v1(77.81,12.3) v1(79.72,40.17) v1(82.81,12.3) v1(83.49,33.59) v1(88.66,54.56) v1(93.89,78.07) v1(93.89,73.22) v1(93.89,65.8) v1(93.89,60.8) v1(93.89,55.8) v1(93.89,48.5) v1(93.89,43.5) v1(93.89,38.5) v1(93.89,8.5)
GND1: length 69.6
  Top w0.5: J4.9 5.42,55.52 5.42,56.81 8.59,59.97 8.59,88.97 10.37,90.75 TP11.1 19.5,86 19.5,83.78 20.37,82.9 C74.1 28.61,82.9 29.58,83.86 29.58,84.92 30.57,85.92 J8.6 J8.5
PGND: length 256.7
  Top w0.16: C14.2 v1(47.68,55.3) ; C14.2 48.07,54.4 48.55,54.88 ; C14.2 47.28,54.4 46.78,54.9 ; 46.78,54.9 46.68,55 ; 46.78,54.9 46.8,54.88 48.55,54.88 ; 48.55,54.88 48.68,55 ; FT2.2 C1.1 ; 48.68,55 46.68,55 ; 48.68,55 v1(48.68,55.3) ; 46.68,55 v1(46.68,55.3)
  Top w0.18: 81.36,74.15 v2(81.36,72.94) ; 81.36,74.15 v2(81.36,71.25) ; 81.36,74.15 v2(81.36,76.44) v2(79.96,76.44) v2(78.56,76.44) 78.56,73.94 ; 78.56,73.94 v2(78.56,72.94) ; 78.56,73.94 v2(78.56,71.25) ; v2(79.96,72.94) 79.96,76.55 ; v2(78.56,74.75) v2(79.96,74.75) v2(81.36,74.75)
  In2.Cu w0.16: J1.5 J1.7 6.36,77.07 C75.- 27.9,77.07 38.57,66.4 73.72,66.4 v2(78.56,71.25) v2(78.56,76.44) v2(81.36,76.44)
  In2.Cu w0.18: v2(81.36,72.94) v2(78.56,72.94) ; v2(79.96,72.94) v2(79.96,76.44) ; v2(78.56,74.75) v2(81.36,74.75)
  Bottom w0.16: J1.5 J1.6 3.82,77.07 ; v2(78.56,71.25) v2(81.36,71.25) v2(81.36,76.44) ; 7.17,77.07 6.36,77.07 J1.7 ; v1(47.68,55.3) v1(47.68,56.3) ; v1(47.68,56.3) 47.68,66.4 C1.1 ; v1(47.68,56.3) v1(46.68,55.3) v1(48.68,55.3) v1(47.68,56.3)
  Bottom w2: 3.82,77.07 C75.- 27.8,77.07 38.47,66.4 C1.1 44.24,68.16 75.48,68.16 v2(78.56,71.25)
/Inverter/INV_FLT_OC: length 54.3
  Top w0.16: v1(34.27,28.92) R54.2 33.44,28.2 32.62,27.38 Q1.2 ; 34.22,28.3 33.99,28.3 ; R7.2 v1(80.88,20.8)
  In2.Cu w0.16: v1(34.27,28.92) 43.09,20.1 80.17,20.1 v1(80.88,20.8)
/Inverter/IPM_PWM_UH: length 5.8
  Top w0.16: U1.7 68.07,21.53 68.25,21.53 68.88,20.9 68.88,19.4 68.3,18.83 68.07,18.83
/Inverter/IPM_PWM_UL: length 38.7
  Top w0.16: Q4.1 90.89,43.44 83.3,35.86 73.57,35.86 72.88,35.16 U1.10 72.88,21.53 73.05,21.53 73.68,20.9 73.68,19.4 73.1,18.83 72.88,18.83
/Inverter/IPM_PWM_VH: length 8.7
  Top w0.16: U1.8 69.68,21.53 69.85,21.53 70.47,20.9 70.47,19.4 69.9,18.83 69.68,18.83
/Inverter/IPM_PWM_VL: length 36.6
  Top w0.16: Q5.1 90.89,38.05 88.3,35.46 73.68,35.46 73.19,34.98 73.19,28.64 74.47,27.36 U1.11 74.47,21.53 74.65,21.53 75.28,20.9 75.28,19.4 74.7,18.83 74.47,18.83
/Inverter/IPM_PWM_WH: length 6.1
  Top w0.16: U1.9 71.28,21.53 71.45,21.53 72.07,20.9 72.07,19.4 71.5,18.83 70.91,18.83
/Inverter/IPM_PWM_WL: length 37
  Top w0.16: 76.07,18.83 76.3,18.83 76.88,19.4 76.88,20.9 76.25,21.53 76.07,21.53 U1.12 73.51,29.16 73.51,34.8 73.78,35.06 89.47,35.06 89.78,34.76 89.78,33.81 Q6.1
